# KiCad board hdmi-edid-debug-board.kicad_pcb
title: HDMI EDID Debug Board; date: 2025-05-26; rev: 1.0.1; company: Antmicro Ltd; note: www.antmicro.com
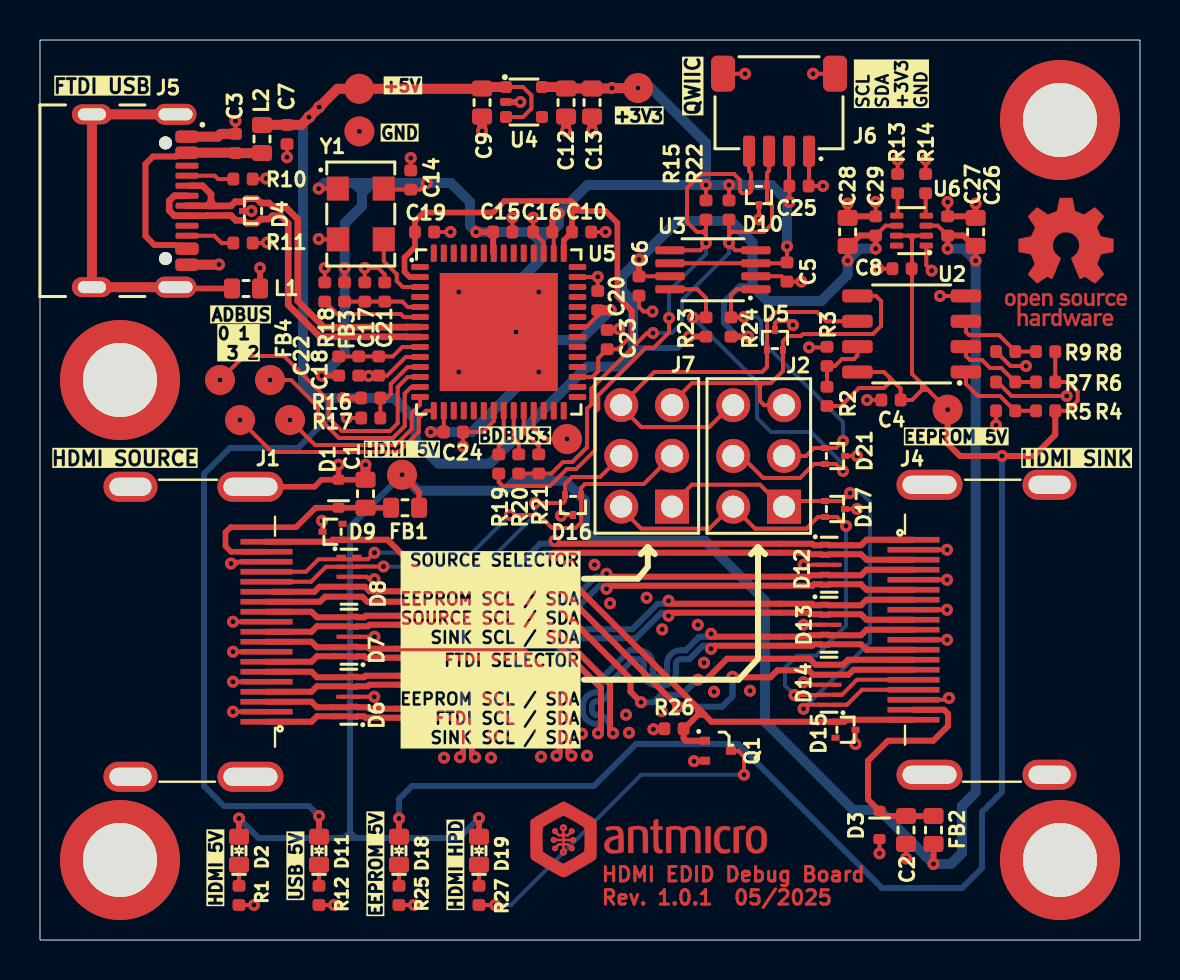
[diagram p0: board, top side]
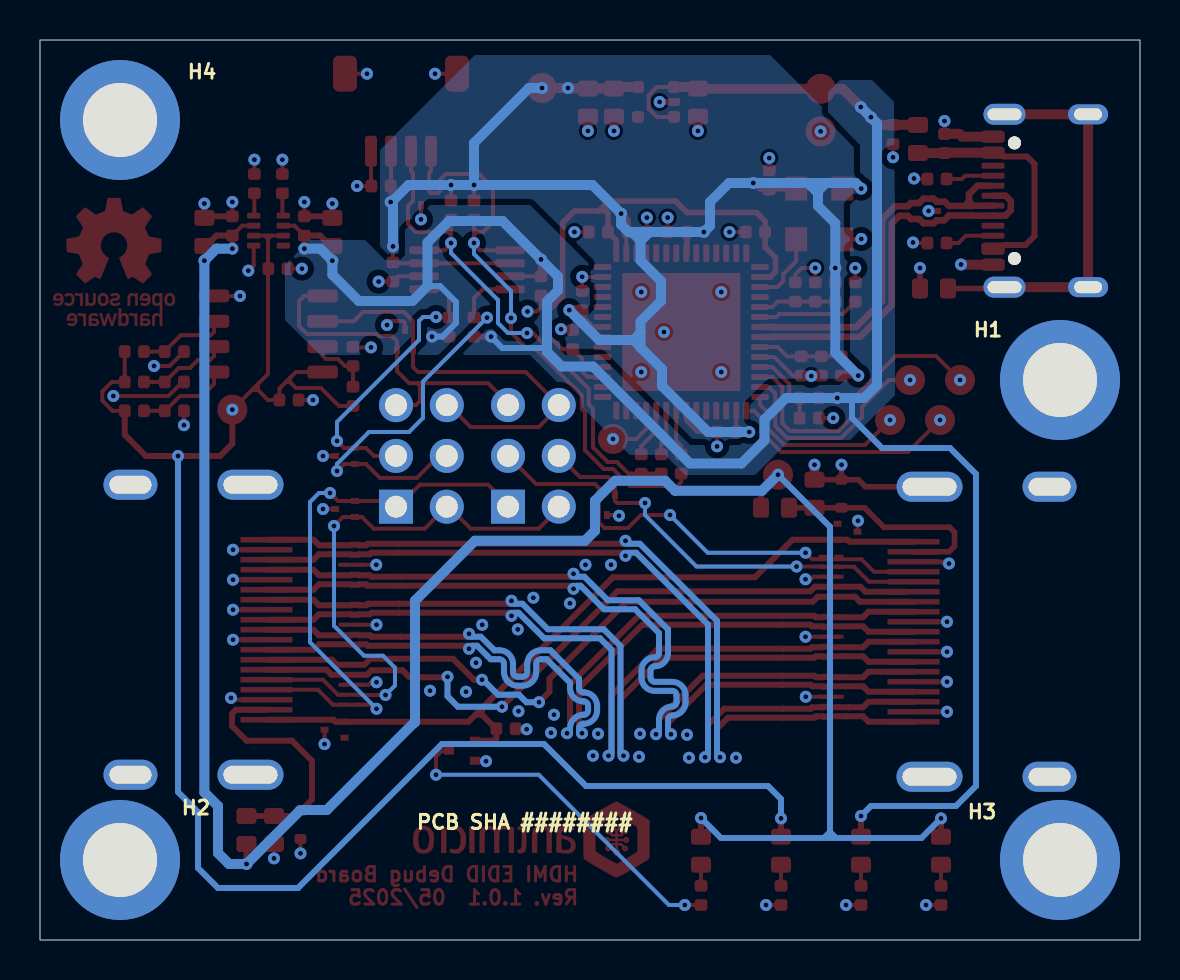
[diagram p1: board, bottom side, seen from below]

Outline 55 x 45 mm; copper layers: Top, In1.Cu (plane), In2.Cu (plane), Bottom. Coordinates in mm from the lower left corner of the outline.
Outline path: rectangle 0,45 55,0
Stack: Top 0.018mm / dielectric 0.18mm PR7628 er 4.06 / dielectric 0.18mm PR7628 er 1 / In1.Cu 0.035mm / dielectric 0.71mm FR-4 er 4.35 / In2.Cu 0.035mm / dielectric 0.18mm PR7628 er 4.06 / dielectric 0.18mm PR7628 er 1 / Bottom 0.018mm

## Placement (name value [footprint] x y rotation side)
C1  C_10u_0603  [C_0603_1608Metric]  16.27 22.31 270 top
C2  C_10u_0603  [C_0603_1608Metric]  43.3 5.5 90 top
C3  C_10n_0402  [C_0402_1005Metric]  9.77 39.82 90 top
C4  C_100n_16V_X7R_0402  [C_0402_1005Metric]  42.55 27 0 top
C5  C_100n_16V_X7R_0402  [C_0402_1005Metric]  37.35 33.4 270 top
C6  C_100n_16V_X7R_0402  [C_0402_1005Metric]  29.95 32.7 270 top
C7  C_100n_16V_X7R_0402  [C_0402_1005Metric]  12.35 40.27 270 top
C8  C_100n_16V_X7R_0402  [C_0402_1005Metric]  43.1 33.57 0 top
C9  C_1u_0603  [C_0603_1608Metric]  22.1 41.87 270 top
C10  C_100n_16V_X7R_0402  [C_0402_1005Metric]  27.08 35.4 0 top
C12  C_1u_0603  [C_0603_1608Metric]  26.3 41.87 270 top
C13  C_1u_0603  [C_0603_1608Metric]  27.6 41.87 270 top
C14  C_100n_16V_X7R_0402  [C_0402_1005Metric]  18.54 38 90 top
C15  C_100n_16V_X7R_0402  [C_0402_1005Metric]  23.14 35.4 0 top
C16  C_100n_16V_X7R_0402  [C_0402_1005Metric]  25.14 35.4 180 top
C17  C_4u7_0402  [C_0402_1005Metric]  16.24 32.4 90 top
C18  C_4u7_0402  [C_0402_1005Metric]  16.94 28.7 90 top
C19  C_100n_16V_X7R_0402  [C_0402_1005Metric]  19.22 35.4 0 top
C20  C_100n_16V_X7R_0402  [C_0402_1005Metric]  27.89 31.97 90 top
C21  C_100n_16V_X7R_0402  [C_0402_1005Metric]  17.24 32.4 90 top
C22  C_100n_16V_X7R_0402  [C_0402_1005Metric]  15.94 28.7 90 top
C23  C_4u7_0402  [C_0402_1005Metric]  28.36 30.02 90 top
C24  C_100n_16V_X7R_0402  [C_0402_1005Metric]  20.67 25.4 0 top
C25  C_100n_16V_X7R_0402  [C_0402_1005Metric]  37.95 37.7 180 top
C26  C_10u_0603  [C_0603_1608Metric]  46.78 35.4 270 top
C27  C_100n_16V_X7R_0402  [C_0402_1005Metric]  45.38 35.7 270 top
C28  C_10u_0603  [C_0603_1608Metric]  40.38 35.4 270 top
C29  C_100n_16V_X7R_0402  [C_0402_1005Metric]  41.78 35.7 270 top
D1  PESD5Z5_0F  [SOD-523]  14.92 22.31 90 top
D2  LED_G_0603_LG_L29K-G2J1-24-Z  [LED_0603_1608Metric_G]  9.95 4.46 90 top
D3  PESD5Z5_0F  [SOD-523]  41.97 5.75 270 top
D4  TPD2E009_SOT-9X3  [SOT-723]  10.65 36.45 180 top
D5  TPD2E009_SOT-9X3  [SOT-723]  36.75 30 90 top
D6  PUSB3F96X_PASS  [Nexperia_DFN-10_2.5x1mm_P0.5mm]  15.44 12.16 90 top
D7  PUSB3F96X_PASS  [Nexperia_DFN-10_2.5x1mm_P0.5mm]  15.45 15.16 90 top
D8  PUSB3F96X_PASS  [Nexperia_DFN-10_2.5x1mm_P0.5mm]  15.45 18.16 270 top
D9  TPD2E009_SOT-9X3  [SOT-723]  14.62 20.41 180 top
D10  TPD2E009_SOT-9X3  [SOT-723]  35.95 37.25 270 top
D11  LED_G_0603_LG_L29K-G2J1-24-Z  [LED_0603_1608Metric_G]  13.95 4.46 90 top
D12  PUSB3F96X_PASS  [Nexperia_DFN-10_2.5x1mm_P0.5mm]  39.46 18.76 270 top
D13  PUSB3F96X_PASS  [Nexperia_DFN-10_2.5x1mm_P0.5mm]  39.45 15.76 270 top
D14  PUSB3F96X_PASS  [Nexperia_DFN-10_2.5x1mm_P0.5mm]  39.45 12.76 90 top
D15  TPD2E009_SOT-9X3  [SOT-723]  40.27 10.51 0 top
D16  TPD2E009_SOT-9X3  [SOT-723]  26.65 21.75 270 top
D17  TPD2E009_SOT-9X3  [SOT-723]  39.75 21.55 0 top
D18  LED_G_0603_LG_L29K-G2J1-24-Z  [LED_0603_1608Metric_G]  17.95 4.46 90 top
D19  LED_G_0603_LG_L29K-G2J1-24-Z  [LED_0603_1608Metric_G]  21.95 4.46 90 top
D21  TPD2E009_SOT-9X3  [SOT-723]  39.75 24.2 0 top
FB1  FB_220Z_2.2A_TDK-MPZ_0603  [FB_0603_1608Metric]  18.25 21.61 0 top
FB2  FB_220Z_2.2A_TDK-MPZ_0603  [FB_0603_1608Metric]  44.67 5.5 90 top
FB3  FB_600Z_0.3A_Murata-BLM15AG_0402  [FB_0402_1005Metric]  15.23 32.4 270 top
FB4  FB_600Z_0.3A_Murata-BLM15AG_0402  [FB_0402_1005Metric]  14.94 28.7 90 top
H1  -  [Spacer_Drill3.7mm_H5mm_9774050151R]  4 28 180 bottom
H2  -  [Spacer_Drill3.7mm_H5mm_9774050151R]  51 4 180 bottom
H3  -  [Spacer_Drill3.7mm_H5mm_9774050151R]  4 4 180 bottom
H4  -  [Spacer_Drill3.7mm_H5mm_9774050151R]  51 41 180 bottom
J1  HDMI-A_WE_685119134923  [HDMI-A_Receptacle_WE_685119134923]  6.1 15.46 90 top
J2  -  [PinHeader_2x3_P2.54mm_Drill1.1mm]  37.2 21.66 180 top
J4  HDMI-A_WE_685119134923  [HDMI-A_Receptacle_WE_685119134923]  48.9 15.46 270 top
J5  USB-C_GCT_USB4105-GF-A  [USB-C_Receptacle_GCT_USB4105-GF-A]  3.85 36.96 270 top
J6  JST_SH_1x4_SM04B-SRSS-TB-LF-SN  [Conn_JST_SH_1x4_SM04B-SRSS-TB-LF-SN]  36.95 41.56 180 top
J7  -  [PinHeader_2x3_P2.54mm_Drill1.1mm]  31.6 21.67 180 top
L1  FB_120Z_2A_Murata-BLM18PG_0603  [FB_0603_1608Metric]  10.3 32.57 0 top
L2  FB_120Z_2A_Murata-BLM18PG_0603  [FB_0603_1608Metric]  11.1 40.05 270 top
Q1  DMG1012T-7  [SOT-523]  33.9 9.46 270 top
R1  R_560R_0402  [R_0402_1005Metric]  9.95 2.23 90 top
R2  R_10k_0402  [R_0402_1005Metric]  39.35 27.18 270 top  (not fitted)
R3  R_10k_0402  [R_0402_1005Metric]  39.35 29.18 270 top
R4  R_10k_0402  [R_0402_1005Metric]  50.28 26.46 0 top  (not fitted)
R5  R_10k_0402  [R_0402_1005Metric]  48.28 26.46 0 top
R6  R_10k_0402  [R_0402_1005Metric]  50.28 27.9 0 top  (not fitted)
R7  R_10k_0402  [R_0402_1005Metric]  48.28 27.9 0 top
R8  R_10k_0402  [R_0402_1005Metric]  50.28 29.42 0 top  (not fitted)
R9  R_10k_0402  [R_0402_1005Metric]  48.28 29.42 0 top
R10  R_5k1_0402  [R_0402_1005Metric]  10.15 38.05 0 top
R11  R_5k1_0402  [R_0402_1005Metric]  10.15 34.85 0 top
R12  R_560R_0402  [R_0402_1005Metric]  13.95 2.23 270 top
R13  R_0R_0402  [R_0402_1005Metric]  42.88 37.82 270 top
R14  R_0R_0402  [R_0402_1005Metric]  44.28 37.82 270 top
R15  R_4k7_0402  [R_0402_1005Metric]  33.3 36.5 90 top
R16  R_4k7_0402  [R_0402_1005Metric]  16.54 27.1 180 top
R17  R_10k_0402  [R_0402_1005Metric]  16.54 26.1 0 top
R18  R_12k_0402  [R_0402_1005Metric]  14.24 32.4 90 top
R19  R_0R_0402  [R_0402_1005Metric]  22.94 23.8 270 top
R20  R_0R_0402  [R_0402_1005Metric]  23.94 23.8 270 top
R21  R_0R_0402  [R_0402_1005Metric]  24.94 23.8 270 top
R22  R_4k7_0402  [R_0402_1005Metric]  34.45 36.5 90 top
R23  R_4k7_0402  [R_0402_1005Metric]  33.3 30.65 270 top
R24  R_4k7_0402  [R_0402_1005Metric]  34.55 30.65 270 top
R25  R_560R_0402  [R_0402_1005Metric]  17.95 2.23 270 top
R26  R_10k_0402  [R_0402_1005Metric]  31.7 10.56 0 top
R27  R_560R_0402  [R_0402_1005Metric]  21.95 2.23 90 top
REF**  LOGO  [antmicro-logo_scaled_12mm]  30.4 5 0 top
REF**#2  LOGO  [oshw-logo]  51.3 33.9 0 top
TP1  TP_1.5mm_SMD  [TP_SMD_1.5mm]  15.97 40.43 0 top
TP2  TP_1.5mm_SMD  [TP_SMD_1.5mm]  18.1 23.26 0 top
TP3  TP_1.5mm_SMD  [TP_SMD_1.5mm]  9 28 0 top
TP4  TP_1.5mm_SMD  [TP_SMD_1.5mm]  11.5 28 0 top
TP5  TP_1.5mm_SMD  [TP_SMD_1.5mm]  12.5 26 0 top
TP6  TP_1.5mm_SMD  [TP_SMD_1.5mm]  10 26 0 top
TP7  TP_1.5mm_SMD  [TP_SMD_1.5mm]  26.35 25.05 0 top
TP8  TP_1.5mm_SMD  [TP_SMD_1.5mm]  45.38 26.52 0 top
TP9  TP_1.5mm_SMD  [TP_SMD_1.5mm]  15.96 42.56 0 top
TP10  TP_1.5mm_SMD  [TP_SMD_1.5mm]  29.9 42.6 0 top
U2  24AA024T-I-SN  [SOIC-8_3.9x4.9x1.75mm_P1.27mm]  43.58 30.3 180 top
U3  NTS0102_TSSOP  [TSSOP-8_3x3mm_P0.65mm]  33.65 33.5 180 top
U4  TLV70033_SC70  [SC-70-5]  24.19 41.89 270 top
U5  FT4232H_VQFN  [QFN-56-1EP_8x8mm_P0.5mm]  22.94 30.4 0 top
U6  TPS2117DRLR  [SOT-583]  43.57 35.47 180 top
Y1  Oscillator_12MHz_ASFLMB  [Oscillator_SMD_Abracon_ASFLMB_5x3.2x0.85mm]  15.94 36.4 0 top

## Library data of the parts
C1 = -: Datasheet: https://www.murata.com/products/productdetail?partno=GRM188R61A106KE69%23; Description: SMD Multilayer Ceramic Capacitor, 10 µF, 10 V, 0603 [1608 Metric], ± 10%, X5R, GRM Series; MPN: GRM188R61A106KE69D; Manufacturer: Murata; License: Apache-2.0; Author: Antmicro; Val: 10u; Dielectric: template_dielectric; Field11: Author: Antmicro; Field13: License: Apache-2.0
C2 = -: Datasheet: https://www.murata.com/products/productdetail?partno=GRM188R61A106KE69%23; Description: SMD Multilayer Ceramic Capacitor, 10 µF, 10 V, 0603 [1608 Metric], ± 10%, X5R, GRM Series; MPN: GRM188R61A106KE69D; Manufacturer: Murata; License: Apache-2.0; Author: Antmicro; Val: 10u; Dielectric: template_dielectric; Field11: Author: Antmicro; Field12: License: Apache-2.0
C3 = -: Datasheet: https://www.murata.com/products/productdetail?partno=GRM155R71H103KA88%23; Manufacturer: Murata; MPN: GRM155R71H103KA88D; Val: 10n; License: Apache-2.0; Author: Antmicro; Voltage: 50V; Dielectric: X7R; Public: False; Field13: License: Apache-2.0; Field14: Author: Antmicro
C4 C27 = -: Datasheet: https://www.kemet.com/en/us/capacitors/product/C0402C104J4RAC7411.html; Description: SMD Multilayer Ceramic Capacitor, 100nF, 50V, 0402, ±5%, X7R; MPN: C0402C104J4RAC7411; Val: 100n; Voltage: 16V; Dielectric: X7R; Manufacturer: KEMET; License: Apache-2.0; Author: Antmicro; Field12: Author: Antmicro; Field13: License: Apache-2.0
C5 = -: Datasheet: https://www.kemet.com/en/us/capacitors/product/C0402C104J4RAC7411.html; Manufacturer: KEMET; MPN: C0402C104J4RAC7411; Val: 100n; License: Apache-2.0; Author: Antmicro; Voltage: 16V; Dielectric: X7R; Field12: Author: Antmicro; Field13: License: Apache-2.0
C6 = -: Datasheet: https://www.kemet.com/en/us/capacitors/product/C0402C104J4RAC7411.html; Manufacturer: KEMET; MPN: C0402C104J4RAC7411; Val: 100n; License: Apache-2.0; Author: Antmicro; Voltage: 16V; Dielectric: X7R; Field11: License: Apache-2.0; Field12: Author: Antmicro
C7 C21 C24 = -: Datasheet: https://www.kemet.com/en/us/capacitors/product/C0402C104J4RAC7411.html; Manufacturer: KEMET; MPN: C0402C104J4RAC7411; Val: 100n; License: Apache-2.0; Author: Antmicro; Voltage: 16V; Dielectric: X7R; Field11: Author: Antmicro; Field12: License: Apache-2.0
C8 C29 = -: Datasheet: https://www.kemet.com/en/us/capacitors/product/C0402C104J4RAC7411.html; Description: SMD Multilayer Ceramic Capacitor, 100nF, 50V, 0402, ±5%, X7R; MPN: C0402C104J4RAC7411; Val: 100n; Voltage: 16V; Dielectric: X7R; Manufacturer: KEMET; License: Apache-2.0; Author: Antmicro; Field11: License: Apache-2.0; Field13: Author: Antmicro
C9 C12 = -: Datasheet: https://spicat.kyocera-avx.com/product/mlcc/chartview/0603YD105KAT2A/; MPN: 0603YD105KAT2A; Manufacturer: KYOCERA AVX; Val: 1u; License: Apache-2.0; Author: Antmicro; Public: False; Field12: License: Apache-2.0; Field14: Author: Antmicro
C10 C19 = -: Datasheet: https://www.kemet.com/en/us/capacitors/product/C0402C104J4RAC7411.html; Manufacturer: KEMET; MPN: C0402C104J4RAC7411; Val: 100n; License: Apache-2.0; Author: Antmicro; Voltage: 16V; Dielectric: X7R; Field12: License: Apache-2.0; Field13: Author: Antmicro
C13 = -: Datasheet: https://spicat.kyocera-avx.com/product/mlcc/chartview/0603YD105KAT2A/; MPN: 0603YD105KAT2A; Manufacturer: KYOCERA AVX; Val: 1u; License: Apache-2.0; Author: Antmicro; Public: False; Field12: Author: Antmicro; Field13: License: Apache-2.0
C14-C16 C20 C22 = -: Datasheet: https://www.kemet.com/en/us/capacitors/product/C0402C104J4RAC7411.html; Manufacturer: KEMET; MPN: C0402C104J4RAC7411; Val: 100n; License: Apache-2.0; Author: Antmicro; Voltage: 16V; Dielectric: X7R; Field11: Author: Antmicro; Field13: License: Apache-2.0
C17 = -: Datasheet: https://www.murata.com/products/productdetail?partno=GRM155R61A475MEAA%23; Manufacturer: Murata; MPN: GRM155R61A475MEAAD; Val: 4u7; License: Apache-2.0; Author: Antmicro; Public: False; Field13: License: Apache-2.0; Field14: Author: Antmicro
C18 C23 = -: Datasheet: https://www.murata.com/products/productdetail?partno=GRM155R61A475MEAA%23; Manufacturer: Murata; MPN: GRM155R61A475MEAAD; Val: 4u7; License: Apache-2.0; Author: Antmicro; Public: False; Field13: Author: Antmicro; Field14: License: Apache-2.0
C25 = -: Datasheet: https://www.kemet.com/en/us/capacitors/product/C0402C104J4RAC7411.html; Description: SMD Multilayer Ceramic Capacitor, 100nF, 50V, 0402, ±5%, X7R; MPN: C0402C104J4RAC7411; Val: 100n; Voltage: 16V; Dielectric: X7R; Manufacturer: KEMET; License: Apache-2.0; Author: Antmicro; Field11: License: Apache-2.0; Field12: Author: Antmicro
C26 = -: Datasheet: https://www.murata.com/products/productdetail?partno=GRM188R61A106KE69%23; Description: SMD Multilayer Ceramic Capacitor, 10 µF, 10 V, 0603 [1608 Metric], ± 10%, X5R, GRM Series; MPN: GRM188R61A106KE69D; Manufacturer: Murata; License: Apache-2.0; Author: Antmicro; Val: 10u; Dielectric: template_dielectric; Field11: License: Apache-2.0; Field13: Author: Antmicro
C28 = -: Datasheet: https://www.murata.com/products/productdetail?partno=GRM188R61A106KE69%23; Description: SMD Multilayer Ceramic Capacitor, 10 µF, 10 V, 0603 [1608 Metric], ± 10%, X5R, GRM Series; MPN: GRM188R61A106KE69D; Manufacturer: Murata; License: Apache-2.0; Author: Antmicro; Val: 10u; Dielectric: template_dielectric; Field12: Author: Antmicro; Field13: License: Apache-2.0
D1 = -: Datasheet: https://assets.nexperia.com/documents/data-sheet/PESD5Z5_0.pdf; Description: Unidirectional TVS, 30 kV,  SOD-523, 5 V, 89 pF; Manufacturer: Nexperia; MPN: PESD5Z5.0F; Author: Antmicro; License: Apache-2.0; Field9: Author: Antmicro; Field10: License: Apache-2.0
D2 = -: Datasheet: https://look.ams-osram.com/m/19ee86b3ae0ee95b/original/LG-L29K.pdf; MPN: LG L29K-G2J1-24-Z; Manufacturer: OSRAM; Author: Antmicro; License: Apache-2.0; Color: Green; Public: False; Field10: License: Apache-2.0; Field12: Author: Antmicro
D3 = -: Datasheet: https://assets.nexperia.com/documents/data-sheet/PESD5Z5_0.pdf; Description: Unidirectional TVS, 30 kV,  SOD-523, 5 V, 89 pF; Manufacturer: Nexperia; MPN: PESD5Z5.0F; Author: Antmicro; License: Apache-2.0; Field8: Author: Antmicro; Field10: License: Apache-2.0
D4 D10 D15 D17 = -: Datasheet: https://www.ti.com/lit/ds/symlink/tpd2e009.pdf?ts=1597910439511&ref_url=https%253A%252F%252Fwww.google.com%252F; MPN: TPD2E009DRTR; Manufacturer: Texas Instruments; Author: Antmicro; License: Apache-2.0; Field9: Author: Antmicro; Field10: License: Apache-2.0
D5 D9 = -: Datasheet: https://www.ti.com/lit/ds/symlink/tpd2e009.pdf?ts=1597910439511&ref_url=https%253A%252F%252Fwww.google.com%252F; MPN: TPD2E009DRTR; Manufacturer: Texas Instruments; Author: Antmicro; License: Apache-2.0; Field8: Author: Antmicro; Field10: License: Apache-2.0
D6 D12 = -: Datasheet: https://mouser.com/datasheet/2/916/PUSB3F96-1600324.pdf; Description: TVS diode array, 10 kV, DFN-2510, 5.5 V, 0.5 pF; Manufacturer: Nexperia; MPN: PUSB3F96X; Author: Antmicro; License: Apache-2.0; Field8: License: Apache-2.0; Field10: Author: Antmicro
D7 = -: Datasheet: https://mouser.com/datasheet/2/916/PUSB3F96-1600324.pdf; Description: TVS diode array, 10 kV, DFN-2510, 5.5 V, 0.5 pF; Manufacturer: Nexperia; MPN: PUSB3F96X; Author: Antmicro; License: Apache-2.0; Field9: License: Apache-2.0; Field10: Author: Antmicro
D8 = -: Datasheet: https://mouser.com/datasheet/2/916/PUSB3F96-1600324.pdf; Description: TVS diode array, 10 kV, DFN-2510, 5.5 V, 0.5 pF; Manufacturer: Nexperia; MPN: PUSB3F96X; Author: Antmicro; License: Apache-2.0; Field9: Author: Antmicro; Field10: License: Apache-2.0
D11 = -: Datasheet: https://look.ams-osram.com/m/19ee86b3ae0ee95b/original/LG-L29K.pdf; Description: LED, Green, SMD, 0603, 20 mA, 1.7 V, 570 nm; MPN: LG L29K-G2J1-24-Z; Manufacturer: OSRAM; Author: Antmicro; License: Apache-2.0; Color: Green; Public: False; Field10: Author: Antmicro; Field11: License: Apache-2.0
D13 = -: Datasheet: https://mouser.com/datasheet/2/916/PUSB3F96-1600324.pdf; Description: TVS diode array, 10 kV, DFN-2510, 5.5 V, 0.5 pF; Manufacturer: Nexperia; MPN: PUSB3F96X; Author: Antmicro; License: Apache-2.0; Field8: Author: Antmicro; Field10: License: Apache-2.0
D14 = -: Datasheet: https://mouser.com/datasheet/2/916/PUSB3F96-1600324.pdf; Description: TVS diode array, 10 kV, DFN-2510, 5.5 V, 0.5 pF; Manufacturer: Nexperia; MPN: PUSB3F96X; Author: Antmicro; License: Apache-2.0; Field8: License: Apache-2.0; Field9: Author: Antmicro
D16 = -: Datasheet: https://www.ti.com/lit/ds/symlink/tpd2e009.pdf?ts=1597910439511&ref_url=https%253A%252F%252Fwww.google.com%252F; MPN: TPD2E009DRTR; Manufacturer: Texas Instruments; Author: Antmicro; License: Apache-2.0; Field9: License: Apache-2.0; Field10: Author: Antmicro
D18 = -: Datasheet: https://look.ams-osram.com/m/19ee86b3ae0ee95b/original/LG-L29K.pdf; Description: LED, Green, SMD, 0603, 20 mA, 1.7 V, 570 nm; MPN: LG L29K-G2J1-24-Z; Manufacturer: OSRAM; Author: Antmicro; License: Apache-2.0; Color: Green; Public: False; Field10: License: Apache-2.0; Field12: Author: Antmicro
D19 = -: Datasheet: https://look.ams-osram.com/m/19ee86b3ae0ee95b/original/LG-L29K.pdf; MPN: LG L29K-G2J1-24-Z; Manufacturer: OSRAM; Author: Antmicro; License: Apache-2.0; Color: Green; Public: False; Field10: Author: Antmicro; Field11: License: Apache-2.0
D21 = -: Datasheet: https://www.ti.com/lit/ds/symlink/tpd2e009.pdf?ts=1597910439511&ref_url=https%253A%252F%252Fwww.google.com%252F; MPN: TPD2E009DRTR; Manufacturer: Texas Instruments; Author: Antmicro; License: Apache-2.0; Field8: License: Apache-2.0; Field10: Author: Antmicro
FB1 = -: Datasheet: https://product.tdk.com/info/en/catalog/datasheets/beads_commercial_power_mpz1608_en.pdf; Description: Ferrite Bead, 0603 [1608 Metric], 220 ohm, 2.2 A, MPZ, 0.05 ohm, ± 25%, DC power line; Val: 220Z/2.2A; MPN: MPZ1608S221ATA00; Manufacturer: TDK; Author: Antmicro; License: Apache-2.0; Field10: Author: Antmicro; Field12: License: Apache-2.0
FB2 = -: Datasheet: https://product.tdk.com/info/en/catalog/datasheets/beads_commercial_power_mpz1608_en.pdf; Description: Ferrite Bead, 0603 [1608 Metric], 220 ohm, 2.2 A, MPZ, 0.05 ohm, ± 25%, DC power line; Val: 220Z/2.2A; MPN: MPZ1608S221ATA00; Manufacturer: TDK; Author: Antmicro; License: Apache-2.0; Field11: Author: Antmicro; Field12: License: Apache-2.0
FB3 = -: Datasheet: https://www.murata.com/en-us/products/productdata/8796740059166/ENFA0018.pdf; MPN: BLM15AG601SN1D; Manufacturer: Murata; Author: Antmicro; License: Apache-2.0; Val: 600Z/0.3A; Public: False; Field12: License: Apache-2.0; Field13: Author: Antmicro
FB4 = -: Datasheet: https://www.murata.com/en-us/products/productdata/8796740059166/ENFA0018.pdf; MPN: BLM15AG601SN1D; Manufacturer: Murata; Author: Antmicro; License: Apache-2.0; Val: 600Z/0.3A; Public: False; Field11: License: Apache-2.0; Field12: Author: Antmicro
H1 H2 H4 = -: Datasheet: https://www.we-online.com/catalog/datasheet/9774050151.pdf; Description: Spacer, SMT, Non Stop, Steel, Swage Round, 5.1 mm x 5 mm, M2.5 Thread, WA-SMSI Series; Manufacturer: Würth Elektronik; MPN: 9774050151R; Author: Antmicro; License: Apache-2.0; Field8: Author: Antmicro; Field9: License: Apache-2.0
H3 = -: Datasheet: https://www.we-online.com/catalog/datasheet/9774050151.pdf; Description: Spacer, SMT, Non Stop, Steel, Swage Round, 5.1 mm x 5 mm, M2.5 Thread, WA-SMSI Series; Manufacturer: Würth Elektronik; MPN: 9774050151R; Author: Antmicro; License: Apache-2.0; Field9: License: Apache-2.0; Field10: Author: Antmicro
J1 = -: Datasheet: https://www.we-online.com/components/products/datasheet/685119134923.pdf; Description: HDMI Receptacle Connector 19 Position Surface Mount, Right Angle; Through Hole; MPN: 685119134923; Manufacturer: Würth Elektronik; Author: Antmicro; License: Apache-2.0; Field10: Author: Antmicro; Field11: License: Apache-2.0; ki_fp_filters: 685119134923
J2 = -: Datasheet: https://www.mouser.com/datasheet/2/445/61300621121-3087632.pdf; Description: Rectangular connector, header; Manufacturer: Würth Elektronik; MPN: 61300621121; Author: Antmicro; License: Apache-2.0; Field8: License: Apache-2.0; Field10: Author: Antmicro
J4 = -: Datasheet: https://www.we-online.com/components/products/datasheet/685119134923.pdf; Description: HDMI Receptacle Connector 19 Position Surface Mount, Right Angle; Through Hole; MPN: 685119134923; Manufacturer: Würth Elektronik; Author: Antmicro; License: Apache-2.0; Field8: License: Apache-2.0; Field10: Author: Antmicro; ki_fp_filters: 685119134923
J5 = -: Datasheet: https://gct.co/files/drawings/usb4105.pdf; Manufacturer: GCT; MPN: USB4105-GF-A; Author: Antmicro; License: Apache-2.0; VSD_Class: USB-C; Field9: License: Apache-2.0; Field10: Author: Antmicro; Field11: PCB-EDGE
J6 = -: Datasheet: https://www.jst-mfg.com/product/pdf/eng/eSH.pdf; Description: Pin Header, Right Angle, Wire-to-Board, 1 mm, 1 Rows, 4 Contacts, Surface Mount Right Angle, SH; MPN: SM04B-SRSS-TB(LF)(SN); Manufacturer: JST Automotive Connectors; Author: Antmicro; License: Apache-2.0; Field9: License: Apache-2.0; Field10: Author: Antmicro
J7 = -: Datasheet: https://www.mouser.com/datasheet/2/445/61300621121-3087632.pdf; Description: Rectangular connector, header; Manufacturer: Würth Elektronik; MPN: 61300621121; Author: Antmicro; License: Apache-2.0; Field9: Author: Antmicro; Field10: License: Apache-2.0
L1 = -: Datasheet: https://www.murata.com/en-us/products/productdata/8796738650142/ENFA0003.pdf; MPN: BLM18PG121SN1D; Manufacturer: Murata; Author: Antmicro; License: Apache-2.0; Val: 120Z/2A; Public: False; Field11: License: Apache-2.0; Field13: Author: Antmicro
L2 = -: Datasheet: https://www.murata.com/en-us/products/productdata/8796738650142/ENFA0003.pdf; MPN: BLM18PG121SN1D; Manufacturer: Murata; Author: Antmicro; License: Apache-2.0; Val: 120Z/2A; Public: False; Field11: Author: Antmicro; Field12: License: Apache-2.0
Q1 = -: Datasheet: https://www.diodes.com/assets/Datasheets/ds31783.pdf; Description: Power MOSFET, N Channel, 20 V, 630 mA, 0.3 ohm, SOT-523, Surface Mount; Manufacturer: Diodes Incorporated; Author: Antmicro; License: Apache-2.0; Field8: License: Apache-2.0; Field10: Author: Antmicro
R1 = -: Datasheet: https://www.bourns.com/docs/product-datasheets/cr.pdf; Description: SMD Chip Resistor, 560 ohm, ± 1%, 100 mW, 0402 [1005 Metric], Thick Film, Precision; MPN: CR0402-FX-5600GLF; Manufacturer: Bourns; License: Apache-2.0; Author: Antmicro; Val: 560R; Tolerance: 1%; Field11: Author: Antmicro; Field12: License: Apache-2.0
R2 R3 R5 R9 = -: Datasheet: https://www.bourns.com/docs/product-datasheets/cr.pdf; Description: SMD Chip Resistor, 10 kohm, ± 1%, 62.5 mW, 0402 [1005 Metric], Thick Film, General Purpose; MPN: CR0402-FX-1002GLF; Manufacturer: Bourns; License: Apache-2.0; Author: Antmicro; Val: 10k; Tolerance: 1%; Field10: Author: Antmicro; Field11: License: Apache-2.0
R4 R8 = -: Datasheet: https://www.bourns.com/docs/product-datasheets/cr.pdf; Description: SMD Chip Resistor, 10 kohm, ± 1%, 62.5 mW, 0402 [1005 Metric], Thick Film, General Purpose; MPN: CR0402-FX-1002GLF; Manufacturer: Bourns; License: Apache-2.0; Author: Antmicro; Val: 10k; Tolerance: 1%; Field10: License: Apache-2.0; Field12: Author: Antmicro
R6 = -: Datasheet: https://www.bourns.com/docs/product-datasheets/cr.pdf; Description: SMD Chip Resistor, 10 kohm, ± 1%, 62.5 mW, 0402 [1005 Metric], Thick Film, General Purpose; MPN: CR0402-FX-1002GLF; Manufacturer: Bourns; License: Apache-2.0; Author: Antmicro; Val: 10k; Tolerance: 1%; Field10: License: Apache-2.0; Field11: Author: Antmicro
R7 = -: Datasheet: https://www.bourns.com/docs/product-datasheets/cr.pdf; Description: SMD Chip Resistor, 10 kohm, ± 1%, 62.5 mW, 0402 [1005 Metric], Thick Film, General Purpose; MPN: CR0402-FX-1002GLF; Manufacturer: Bourns; License: Apache-2.0; Author: Antmicro; Val: 10k; Tolerance: 1%; Field11: Author: Antmicro; Field12: License: Apache-2.0